# KiCad board jetson-agx-thor-baseboard.kicad_pcb (continued)
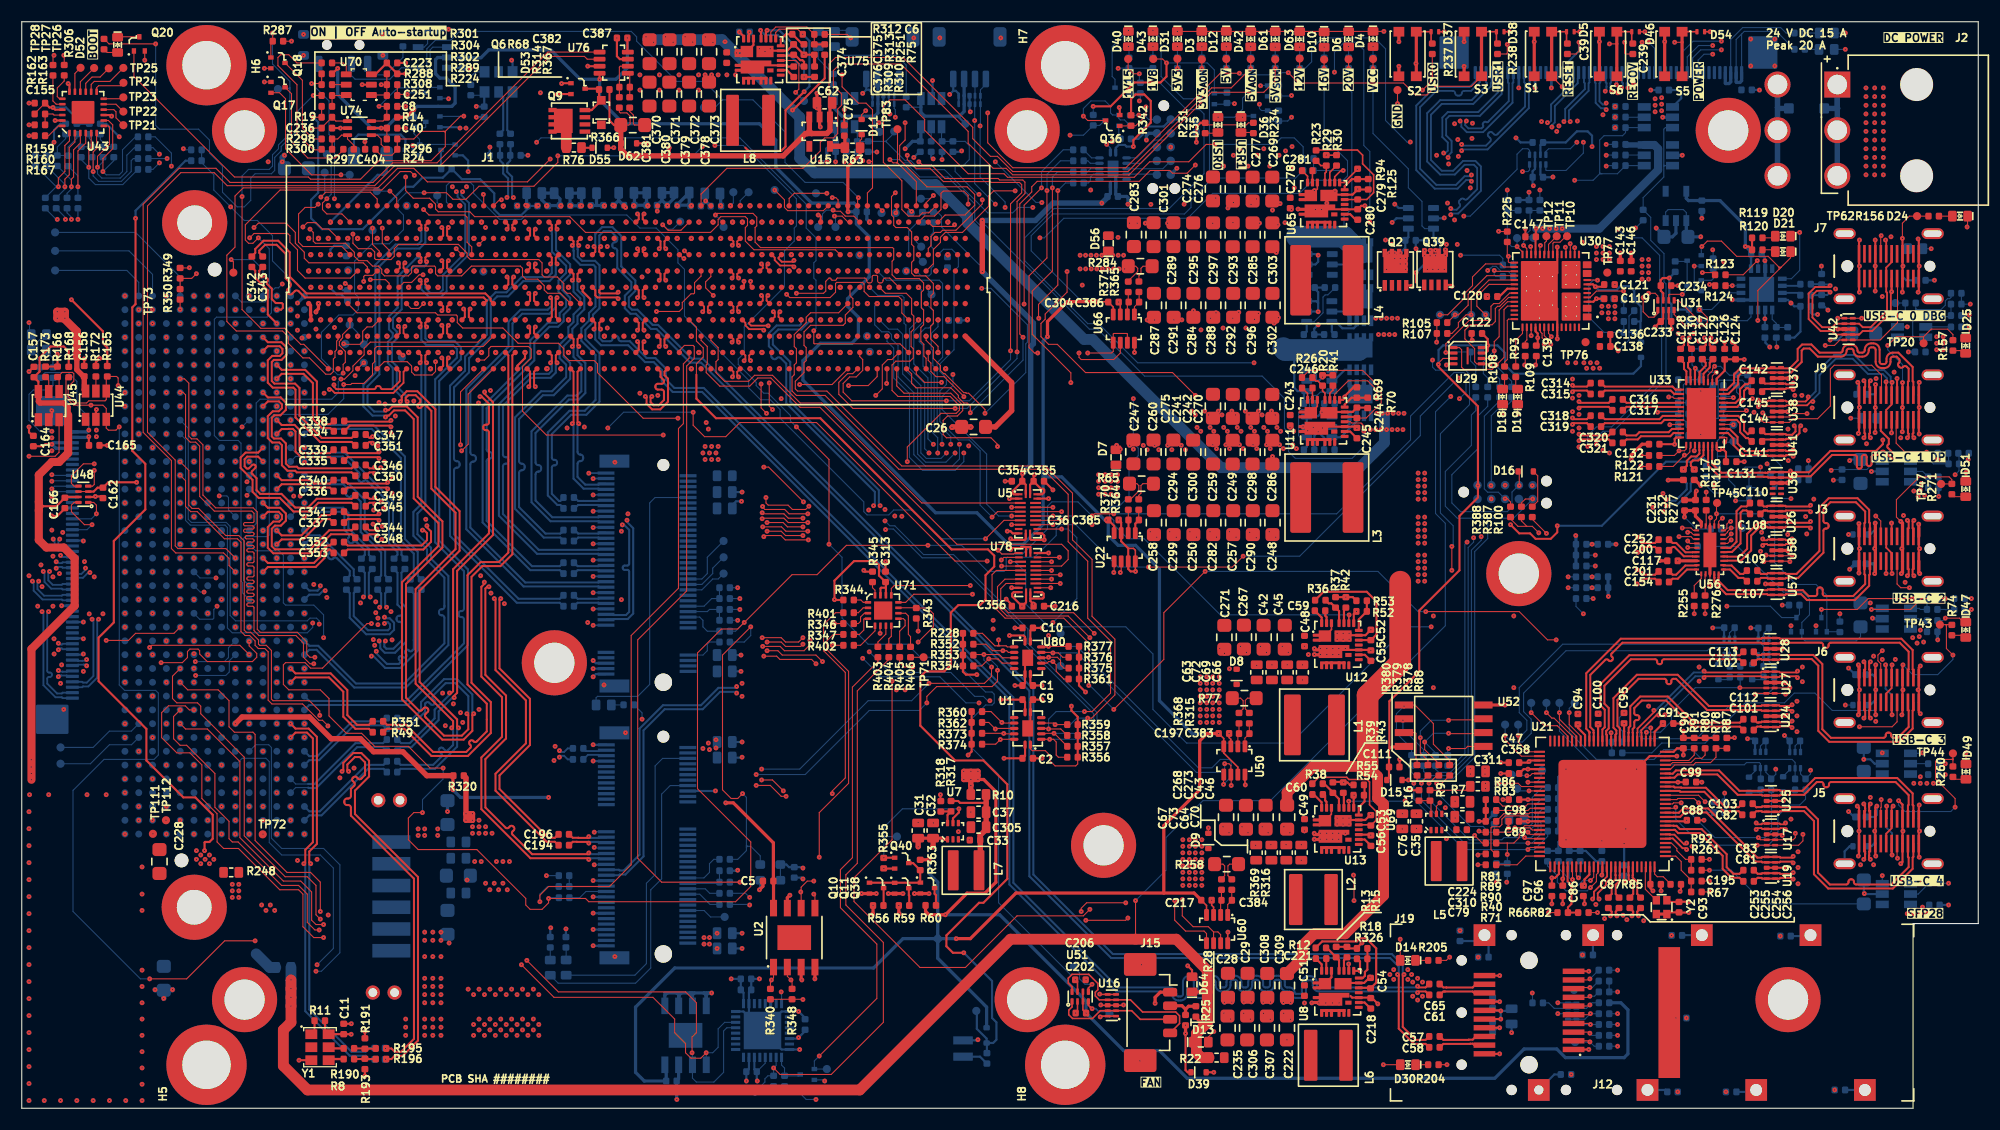
[diagram p0: board, top side]
## Placement (name value [footprint] x y rotation side) (continued)
R270  R_2k2_0402  [R_0402_1005Metric]  175.76 44.89 180 bottom
R271  R_470R_0402  [R_0402_1005Metric]  177.57 56.99 90 top
R272  R_100k_0402  [R_0402_1005Metric]  161.37 58.32 180 bottom  (not fitted)
R273  R_10k_0402  [R_0402_1005Metric]  159.47 58.31 0 bottom  (not fitted)
R274  R_10k_0402  [R_0402_1005Metric]  157.52 58.32 0 bottom  (not fitted)
R275  R_10k_0402  [R_0402_1005Metric]  16.07 87.21 180 bottom  (not fitted)
R276  R_0R_0402  [R_0402_1005Metric]  154.87 46.71 90 top
R277  R_0R_0402  [R_0402_1005Metric]  154.97 55.51 270 top
R278  R_10k_0402  [R_0402_1005Metric]  143.47 49.91 180 bottom
R279  R_200k_0402  [R_0402_1005Metric]  145.47 47.91 180 bottom
R280  R_200k_0402  [R_0402_1005Metric]  145.46 48.92 180 bottom
R281  R_0R_0402  [R_0402_1005Metric]  143.47 47.91 0 bottom  (not fitted)
R282  R_0R_0402  [R_0402_1005Metric]  143.47 48.91 0 bottom  (not fitted)
R283  R_0R_0402  [R_0402_1005Metric]  143.47 46.91 0 bottom  (not fitted)
R284  R_0R001_0805  [R_0805_2012Metric]  102.9 77.5 180 top
R285  R_10k_0402  [R_0402_1005Metric]  98.58 90.94 90 bottom  (not fitted)
R286  R_10M_0402  [R_0402_1005Metric]  155.61 77.74 270 bottom  (not fitted)
R287  R_10k_0402  [R_0402_1005Metric]  23.57 98.21 0 top
R288  R_47k_0402  [R_0402_1005Metric]  34.07 95.21 0 top
R289  R_10k_0402  [R_0402_1005Metric]  28.07 93.21 180 top  (not fitted)
R290  R_0R_0402  [R_0402_1005Metric]  82.87 82.01 270 bottom  (not fitted)
R291  R_0R_0402  [R_0402_1005Metric]  83.87 82.01 270 bottom  (not fitted)
R292  R_0R_0402  [R_0402_1005Metric]  97.22 86.18 180 bottom  (not fitted)
R293  R_0R_0402  [R_0402_1005Metric]  97.22 87.2 180 bottom  (not fitted)
R294  R_0R_0402  [R_0402_1005Metric]  97.21 88.21 180 bottom  (not fitted)
R295  R_0R_0402  [R_0402_1005Metric]  97.22 85.16 180 bottom  (not fitted)
R296  R_49k9_0402  [R_0402_1005Metric]  34.07 89.21 180 top
R297  R_0R_0402  [R_0402_1005Metric]  30.07 88.26 0 top
R298  R_0R_0402  [R_0402_1005Metric]  28.07 89.21 0 top
R299  R_10k_0402  [R_0402_1005Metric]  160.25 44.2 0 bottom
R300  R_10k_0402  [R_0402_1005Metric]  28.07 88.26 180 top
R301  R_0R_0402  [R_0402_1005Metric]  28.07 96.21 180 top
R302  R_0R_0402  [R_0402_1005Metric]  28.07 94.21 180 top
R303  R_10k_0402  [R_0402_1005Metric]  157.11 44.23 0 bottom
R304  R_10k_0402  [R_0402_1005Metric]  28.07 95.21 0 top
R306  R_470R_0402  [R_0402_1005Metric]  7.57 97.94 90 top
R307  R_10k_0402  [R_0402_1005Metric]  35.07 98.21 270 bottom
R308  R_100k_0402  [R_0402_1005Metric]  34.07 94.21 180 top  (not fitted)
R309  R_499k_0402  [R_0402_1005Metric]  71.97 95.39 90 top  (not fitted)
R310  R_200k_0402  [R_0402_1005Metric]  72.94 95.4 270 top
R311  R_51k_0402  [R_0402_1005Metric]  71.49 97.89 180 bottom
R312  R_73k2_0402  [R_0402_1005Metric]  71.37 98.84 0 top
R313  R_10k_0402  [R_0402_1005Metric]  71.96 97.44 90 top
R314  R_27R_0402  [R_0402_1005Metric]  55.93 92.57 270 top
R315  R_27R_0402  [R_0402_1005Metric]  112.94 35.9 90 top
R316  R_27R_0402  [R_0402_1005Metric]  111.32 20.59 90 top
R317  R_30k_0402  [R_0402_1005Metric]  85.49 27.8 90 top
R318  R_15k_0402  [R_0402_1005Metric]  84.55 27.79 270 top
R319  R_10k_0402  [R_0402_1005Metric]  16.07 88.21 180 bottom
R320  R_0R_0402  [R_0402_1005Metric]  40.19 30.61 180 top  (not fitted)
R321  R_10k_0402  [R_0402_1005Metric]  135.67 22.06 270 bottom  (not fitted)
R322  R_200k_0402  [R_0402_1005Metric]  136.67 22.06 90 bottom
R323  R_10k_0402  [R_0402_1005Metric]  135.47 26.63 90 bottom  (not fitted)
R324  R_200k_0402  [R_0402_1005Metric]  140.87 28.51 180 bottom
R325  R_100k_0402  [R_0402_1005Metric]  140.87 29.51 180 bottom
R326  R_191k_0402  [R_0402_1005Metric]  123.32 13.76 180 top
R327  R_100k_0402  [R_0402_1005Metric]  140.87 27.51 180 bottom
R328  R_10k_0402  [R_0402_1005Metric]  160.73 40.68 0 bottom
R329  R_10k_0402  [R_0402_1005Metric]  157.62 40.68 0 bottom
R330  R_2R2_0402  [R_0402_1005Metric]  160.73 39.7 0 bottom
R331  R_2R2_0402  [R_0402_1005Metric]  157.62 39.68 0 bottom
R332  R_10k_0402  [R_0402_1005Metric]  163.13 33.81 0 bottom
R333  R_10k_0402  [R_0402_1005Metric]  159.95 33.81 0 bottom
R334  R_10k_0402  [R_0402_1005Metric]  163.63 30.31 0 bottom
R335  R_10k_0402  [R_0402_1005Metric]  160.47 30.32 0 bottom
R336  R_2R2_0402  [R_0402_1005Metric]  163.63 29.31 0 bottom
R337  R_2R2_0402  [R_0402_1005Metric]  160.47 29.31 0 bottom
R338  R_10k_0402  [R_0402_1005Metric]  163.07 46.31 0 bottom
R339  R_0R_0402  [R_0402_1005Metric]  178.27 45.89 180 bottom
R340  R_10k_0402  [R_0402_1005Metric]  68.88 10.51 270 top  (not fitted)
R341  R_0R_0402  [R_0402_1005Metric]  108.07 90.31 270 bottom  (not fitted)
R342  R_10k_0402  [R_0402_1005Metric]  102.06 90.91 90 top  (not fitted)
R343  R_10k_0402  [R_0402_1005Metric]  82.3 45.56 270 top
R344  R_0R_0402  [R_0402_1005Metric]  76.07 46.78 0 top
R345  R_0R_0402  [R_0402_1005Metric]  78.27 48.91 270 top
R346  R_0R_0402  [R_0402_1005Metric]  76.07 44.61 180 top
R347  R_0R_0402  [R_0402_1005Metric]  76.07 43.61 180 top
R348  R_10k_0402  [R_0402_1005Metric]  70.87 10.51 270 top  (not fitted)
R349  R_10k_0402  [R_0402_1005Metric]  14.57 76.86 90 top
R350  R_100R_0402  [R_0402_1005Metric]  14.57 74.91 90 top
R351  R_0R_0402  [R_0402_1005Metric]  32.77 34.61 180 top
R352  R_2k2_0402  [R_0402_1005Metric]  87.07 42.71 0 top  (not fitted)
R353  R_2k2_0402  [R_0402_1005Metric]  87.07 41.71 0 top  (not fitted)
R354  R_2k2_0402  [R_0402_1005Metric]  87.07 40.71 0 top  (not fitted)
R355  R_10k_0402  [R_0402_1005Metric]  79.3 22.56 90 top
R356  R_2k2_0402  [R_0402_1005Metric]  96.67 32.31 180 top  (not fitted)
R357  R_2k2_0402  [R_0402_1005Metric]  96.67 33.31 180 top  (not fitted)
R358  R_2k2_0402  [R_0402_1005Metric]  96.67 34.31 180 top  (not fitted)
R359  R_2k2_0402  [R_0402_1005Metric]  96.67 35.31 180 top  (not fitted)
R360  R_2k2_0402  [R_0402_1005Metric]  87.87 36.51 0 top
R361  R_2k2_0402  [R_0402_1005Metric]  96.79 39.51 180 top
R362  R_2k2_0402  [R_0402_1005Metric]  87.87 35.51 0 top
R363  R_100k_0402  [R_0402_1005Metric]  82.66 22.39 90 top
R364  R_27R_0402  [R_0402_1005Metric]  102.76 55.57 90 top
R365  R_27R_0402  [R_0402_1005Metric]  102.78 75.61 90 top
R366  R_0R001_0805  [R_0805_2012Metric]  56.21 90.49 180 top
R367  R_27R_0402  [R_0402_1005Metric]  54.98 92.57 270 top
R368  R_27R_0402  [R_0402_1005Metric]  111.99 35.9 90 top
R369  R_27R_0402  [R_0402_1005Metric]  110.37 20.59 90 top
R370  R_27R_0402  [R_0402_1005Metric]  101.8 55.57 90 top
R371  R_27R_0402  [R_0402_1005Metric]  101.8 75.6 90 top
R372  R_1k_0402  [R_0402_1005Metric]  117.57 96.21 270 bottom
R373  R_2k2_0402  [R_0402_1005Metric]  87.87 34.51 0 top
R374  R_2k2_0402  [R_0402_1005Metric]  87.87 33.51 0 top
R375  R_2k2_0402  [R_0402_1005Metric]  96.79 40.51 180 top
R376  R_2k2_0402  [R_0402_1005Metric]  96.79 41.51 180 top
R377  R_2k2_0402  [R_0402_1005Metric]  96.79 42.51 180 top
R378  R_0R_0402  [R_0402_1005Metric]  130.37 31.11 90 top  (not fitted)
R379  R_0R_0402  [R_0402_1005Metric]  129.37 31.11 90 top  (not fitted)
R380  R_0R_0402  [R_0402_1005Metric]  128.37 31.11 90 top  (not fitted)
R381  R_0R_0402  [R_0402_1005Metric]  137.07 65.91 90 bottom
R382  R_0R_0402  [R_0402_1005Metric]  135.97 65.91 90 bottom
R383  R_0R_0402  [R_0402_1005Metric]  134.87 65.91 90 bottom
R384  R_0R_0402  [R_0402_1005Metric]  133.77 65.91 90 bottom
R385  R_0R_0402  [R_0402_1005Metric]  128.97 32.01 90 bottom  (not fitted)
R386  R_0R_0402  [R_0402_1005Metric]  127.87 32.01 90 bottom  (not fitted)
R387  R_0R_0402  [R_0402_1005Metric]  137.97 54.89 270 top  (not fitted)
R388  R_0R_0402  [R_0402_1005Metric]  136.97 54.89 270 top  (not fitted)
R389  R_2k2_0402  [R_0402_1005Metric]  4.27 87.19 270 bottom
R390  R_2k2_0402  [R_0402_1005Metric]  2.27 87.21 270 bottom
R391  R_2k2_0402  [R_0402_1005Metric]  1.27 87.21 270 bottom
R392  R_2k2_0402  [R_0402_1005Metric]  6.47 88.01 270 bottom
R393  R_2k2_0402  [R_0402_1005Metric]  7.47 88.01 270 bottom
R394  R_2k2_0402  [R_0402_1005Metric]  8.47 88.01 270 bottom
R395  R_0R_0402  [R_0402_1005Metric]  11.17 86.41 0 bottom
R396  R_0R_0402  [R_0402_1005Metric]  11.17 87.41 0 bottom
R397  R_0R_0402  [R_0402_1005Metric]  11.17 88.41 0 bottom
R398  R_0R_0402  [R_0402_1005Metric]  11.17 89.41 0 bottom
R399  R_0R_0402  [R_0402_1005Metric]  4.17 83.31 90 bottom
R400  R_0R_0402  [R_0402_1005Metric]  5.17 83.31 90 bottom
R401  R_0R_0402  [R_0402_1005Metric]  76.07 45.61 180 top
R402  R_0R_0402  [R_0402_1005Metric]  76.07 42.61 180 top
R403  R_0R_0402  [R_0402_1005Metric]  78.77 41.99 270 top
R404  R_0R_0402  [R_0402_1005Metric]  79.77 41.99 270 top
R405  R_0R_0402  [R_0402_1005Metric]  80.77 41.99 270 top
R406  R_0R_0402  [R_0402_1005Metric]  81.77 41.99 270 top
REF**  antmicro-logo_scaled_20mm  [antmicro-logo_scaled_20mm_mask]  5.82 13.46 90 top
REF**#2  -  [OSHW-Logo_5.7x6mm_Mask]  133.67 42.11 90 top
S1  -  [SW_KMR211NGLFS_SMD]  139.95 97.03 90 top
S2  -  [SW_KMR211NGLFS_SMD]  127.5 97.03 270 top
S3  -  [SW_KMR211NGLFS_SMD]  133.5 97.03 270 top
S5  -  [SW_KMR211NGLFS_SMD]  151.95 97.03 90 top
S6  -  [SW_KMR211NGLFS_SMD]  145.95 97.03 270 top
SW2  SW_SPDT_PCM12SMTR  [PCM12SMTR]  29.57 97.82 0 bottom
TP1  TP_0.75mm_SMD  [TP_SMD_0.75mm]  137.57 29.41 0 bottom
TP2  TP_0.75mm_SMD  [TP_SMD_0.75mm]  139.87 31.11 180 bottom
TP3  TP_0.75mm_SMD  [TP_SMD_0.75mm]  126.57 93.71 90 top
TP4  TP_0.75mm_SMD  [TP_SMD_0.75mm]  124.32 96.57 90 top
TP5  TP_0.75mm_SMD  [TP_SMD_0.75mm]  119.82 96.52 90 top
TP6  TP_0.75mm_SMD  [TP_SMD_0.75mm]  137.07 30.71 90 bottom
TP7  TP_0.75mm_SMD  [TP_SMD_0.75mm]  110.82 96.57 90 top
TP8  TP_0.75mm_SMD  [TP_SMD_0.75mm]  81.37 77.06 90 bottom
TP9  TP_0.75mm_SMD  [TP_SMD_0.75mm]  113.07 96.56 90 top
TP10  TP_0.75mm_SMD  [TP_SMD_0.75mm]  142.17 80.26 270 top
TP11  TP_0.75mm_SMD  [TP_SMD_0.75mm]  141.22 80.26 270 top
TP12  TP_0.75mm_SMD  [TP_SMD_0.75mm]  140.27 80.26 270 top
TP13  TP_0.75mm_SMD  [TP_SMD_0.75mm]  134.67 73.03 0 bottom
TP14  TP_0.75mm_SMD  [TP_SMD_0.75mm]  131.87 73.03 0 bottom
TP15  TP_0.75mm_SMD  [TP_SMD_0.75mm]  133.35 73.03 0 bottom
TP16  TP_0.75mm_SMD  [TP_SMD_0.75mm]  130.47 73.03 0 bottom
TP17  TP_0.75mm_SMD  [TP_SMD_0.75mm]  157.47 62.9 270 bottom
TP18  TP_0.75mm_SMD  [TP_SMD_0.75mm]  157.46 61.39 270 bottom
TP19  TP_0.75mm_SMD  [TP_SMD_0.75mm]  172.37 74.11 270 bottom
TP20  TP_0.75mm_SMD  [TP_SMD_0.75mm]  174.97 70.41 180 top
TP21  TP_0.75mm_SMD  [TP_SMD_0.75mm]  9.35 90.48 90 top
TP22  TP_0.75mm_SMD  [TP_SMD_0.75mm]  9.35 91.73 90 top
TP23  TP_0.75mm_SMD  [TP_SMD_0.75mm]  9.35 93.04 90 top
TP24  TP_0.75mm_SMD  [TP_SMD_0.75mm]  9.36 94.38 90 top
TP25  TP_0.75mm_SMD  [TP_SMD_0.75mm]  9.35 95.75 90 top
TP26  TP_0.75mm_SMD  [TP_SMD_0.75mm]  8.01 95.71 90 top
TP27  TP_0.75mm_SMD  [TP_SMD_0.75mm]  6.66 95.74 90 top
TP28  TP_0.75mm_SMD  [TP_SMD_0.75mm]  5.41 95.76 90 top
TP29  TP_0.75mm_SMD  [TP_SMD_0.75mm]  142.81 10.89 270 bottom
TP30  TP_0.75mm_SMD  [TP_SMD_0.75mm]  142.91 6.09 270 bottom
TP31  TP_0.75mm_SMD  [TP_SMD_0.75mm]  66.87 84.31 90 bottom
TP32  TP_0.75mm_SMD  [TP_SMD_0.75mm]  73.07 84.21 90 bottom
TP33  TP_0.75mm_SMD  [TP_SMD_0.75mm]  77.77 71.06 90 bottom
TP34  TP_0.75mm_SMD  [TP_SMD_0.75mm]  82.9 77.9 90 bottom
TP35  TP_0.75mm_SMD  [TP_SMD_0.75mm]  34.97 69.11 90 bottom
TP36  TP_0.75mm_SMD  [TP_SMD_0.75mm]  64.57 49.21 0 bottom
TP37  TP_0.75mm_SMD  [TP_SMD_0.75mm]  64.57 50.71 0 bottom
TP38  TP_0.75mm_SMD  [TP_SMD_0.75mm]  64.57 52.21 0 bottom
TP39  TP_0.75mm_SMD  [TP_SMD_0.75mm]  64.67 17.61 180 bottom
TP40  TP_0.75mm_SMD  [TP_SMD_0.75mm]  135.87 29.91 180 bottom
TP41  TP_0.75mm_SMD  [TP_SMD_0.75mm]  106.32 96.59 0 top
TP42  TP_0.75mm_SMD  [TP_SMD_0.75mm]  104.1 96.57 180 top
TP43  TP_0.75mm_SMD  [TP_SMD_0.75mm]  176.47 44.51 90 top
TP44  TP_0.75mm_SMD  [TP_SMD_0.75mm]  177.67 32.66 180 top
TP45  TP_0.75mm_SMD  [TP_SMD_0.75mm]  155.97 55.71 90 top
TP46  TP_0.75mm_SMD  [TP_SMD_0.75mm]  158.27 53.41 270 bottom
TP47  TP_0.75mm_SMD  [TP_SMD_0.75mm]  176.58 57.46 180 top
TP48  TP_0.75mm_SMD  [TP_SMD_0.75mm]  80.4 82.4 90 bottom
TP49  TP_0.75mm_SMD  [TP_SMD_0.75mm]  83.7 74.9 90 bottom
TP50  TP_0.75mm_SMD  [TP_SMD_0.75mm]  79.1 82.4 90 bottom
TP51  TP_0.75mm_SMD  [TP_SMD_0.75mm]  64.57 81.11 90 bottom
TP52  TP_0.75mm_SMD  [TP_SMD_0.75mm]  31.47 68.61 90 bottom
TP53  TP_0.75mm_SMD  [TP_SMD_0.75mm]  30.17 72.11 90 bottom
TP54  TP_0.75mm_SMD  [TP_SMD_0.75mm]  35.42 83.06 90 bottom
TP55  TP_0.75mm_SMD  [TP_SMD_0.75mm]  82.75 79.3 90 bottom
TP56  TP_0.75mm_SMD  [TP_SMD_0.75mm]  60.58 81.6 90 bottom
TP57  TP_0.75mm_SMD  [TP_SMD_0.75mm]  65.47 84.31 90 bottom
TP58  TP_0.75mm_SMD  [TP_SMD_0.75mm]  30.03 77.12 90 bottom
TP59  TP_0.75mm_SMD  [TP_SMD_0.75mm]  78.02 69.61 90 bottom
TP60  TP_0.75mm_SMD  [TP_SMD_0.75mm]  81.8 82.4 90 bottom
TP61  TP_0.75mm_SMD  [TP_SMD_0.75mm]  122.07 96.55 90 top
TP62  TP_0.75mm_SMD  [TP_SMD_0.75mm]  174.37 82.11 0 top
TP63  TP_0.75mm_SMD  [TP_SMD_0.75mm]  108.57 96.54 90 top
TP64  TP_0.75mm_SMD  [TP_SMD_0.75mm]  101.79 96.57 0 top
TP65  TP_0.75mm_SMD  [TP_SMD_0.75mm]  140.27 37.31 90 bottom
TP66  TP_0.75mm_SMD  [TP_SMD_0.75mm]  138.87 37.31 90 bottom
TP67  TP_0.75mm_SMD  [TP_SMD_0.75mm]  142.87 37.31 180 bottom
TP68  TP_0.75mm_SMD  [TP_SMD_0.75mm]  141.47 37.31 180 bottom
TP69  TP_0.75mm_SMD  [TP_SMD_0.75mm]  137.67 35.31 90 bottom
TP70  TP_0.75mm_SMD  [TP_SMD_0.75mm]  136.47 35.31 90 bottom
TP71  TP_0.75mm_SMD  [TP_SMD_0.75mm]  82.97 41.51 0 top
TP72  TP_0.75mm_SMD  [TP_SMD_0.75mm]  22.17 25.21 180 top
TP73  TP_0.75mm_SMD  [TP_SMD_0.75mm]  19.47 76.91 180 top
TP74  TP_0.75mm_SMD  [TP_SMD_0.75mm]  42.47 77.01 180 bottom
TP75  TP_0.75mm_SMD  [TP_SMD_0.75mm]  115.32 96.54 0 top
TP76  TP_0.75mm_SMD  [TP_SMD_0.75mm]  143.87 70.51 0 top
TP77  TP_0.75mm_SMD  [TP_SMD_0.75mm]  145.87 76.91 0 top
TP78  TP_0.75mm_SMD  [TP_SMD_0.75mm]  87.82 8.96 270 bottom
TP79  TP_0.75mm_SMD  [TP_SMD_0.75mm]  62.77 92.11 270 bottom
TP80  TP_0.75mm_SMD  [TP_SMD_0.75mm]  82.72 83.71 270 bottom
TP81  TP_0.75mm_SMD  [TP_SMD_0.75mm]  32.67 84.41 270 bottom
TP82  TP_0.75mm_SMD  [TP_SMD_0.75mm]  30.17 85.91 270 bottom
TP83  TP_0.75mm_SMD  [TP_SMD_0.75mm]  80.57 90.11 90 top
TP84  TP_0.75mm_SMD  [TP_SMD_0.75mm]  23.57 93.81 270 bottom
TP85  TP_0.75mm_SMD  [TP_SMD_0.75mm]  71.97 92.71 270 bottom
TP86  TP_0.75mm_SMD  [TP_SMD_0.75mm]  80.52 25.01 0 bottom
TP87  TP_0.75mm_SMD  [TP_SMD_0.75mm]  95.57 40.71 270 bottom
TP88  TP_0.75mm_SMD  [TP_SMD_0.75mm]  95.57 43.71 270 bottom
TP89  TP_0.75mm_SMD  [TP_SMD_0.75mm]  96.77 13.01 270 bottom
TP90  TP_0.75mm_SMD  [TP_SMD_0.75mm]  100.07 8.71 270 bottom
TP91  TP_0.75mm_SMD  [TP_SMD_0.75mm]  137.57 80.09 180 bottom
TP92  TP_0.75mm_SMD  [TP_SMD_0.75mm]  139.07 80.11 180 bottom
TP93  TP_0.75mm_SMD  [TP_SMD_0.75mm]  78.92 89.86 270 bottom
TP94  TP_0.75mm_SMD  [TP_SMD_0.75mm]  86.82 90.61 270 bottom
TP95  TP_0.75mm_SMD  [TP_SMD_0.75mm]  74.07 3.61 270 bottom
TP96  TP_0.75mm_SMD  [TP_SMD_0.75mm]  67.47 1.51 270 bottom
TP97  TP_0.75mm_SMD  [TP_SMD_0.75mm]  80.27 89.91 270 bottom
TP98  TP_0.75mm_SMD  [TP_SMD_0.75mm]  117.57 96.61 90 top
TP99  TP_0.75mm_SMD  [TP_SMD_0.75mm]  38.22 84.01 270 bottom
TP100  TP_0.75mm_SMD  [TP_SMD_0.75mm]  29.77 70.36 270 bottom
TP101  TP_0.75mm_SMD  [TP_SMD_0.75mm]  31.47 70.31 270 bottom
TP102  TP_0.75mm_SMD  [TP_SMD_0.75mm]  32.27 80.81 0 bottom
TP103  TP_0.75mm_SMD  [TP_SMD_0.75mm]  28.07 87.81 0 bottom
TP104  TP_0.75mm_SMD  [TP_SMD_0.75mm]  27.87 86.11 270 bottom
TP105  TP_0.75mm_SMD  [TP_SMD_0.75mm]  69.27 84.51 315 bottom
TP106  TP_0.75mm_SMD  [TP_SMD_0.75mm]  77.07 78.51 315 bottom
TP107  TP_0.75mm_SMD  [TP_SMD_0.75mm]  74.87 81.11 270 bottom
TP108  TP_0.75mm_SMD  [TP_SMD_0.75mm]  73.27 81.11 270 bottom
TP109  TP_0.75mm_SMD  [TP_SMD_0.75mm]  3.07 80.61 270 bottom
TP110  TP_0.75mm_SMD  [TP_SMD_0.75mm]  3.07 78.91 270 bottom
TP111  TP_0.75mm_SMD  [TP_SMD_0.75mm]  12.07 25.26 0 top
TP112  TP_0.75mm_SMD  [TP_SMD_0.75mm]  13.27 26.51 0 top
TP113  TP_0.75mm_SMD  [TP_SMD_0.75mm]  3.07 77.11 270 bottom
TP114  TP_0.75mm_SMD  [TP_SMD_0.75mm]  3.57 33.21 0 bottom
TP115  TP_0.75mm_SMD  [TP_SMD_0.75mm]  3.57 31.71 0 bottom
U1  NTS0104_DHVQFN  [DHVQFN-14-1EP_2.5x3mm]  92.55 34.96 180 top
U2  AT24CS01_SOIC8  [SOIC-8-1EP_3.9x4.9x1.75mm_P1.27mm]  71.07 15.71 90 top
U5  SN74AXC8T245_UQFN  [UQFN-24_2x4mm_P0.4mm_Texas_RJW0024A]  92.57 54.71 0 top
U6  LTC4412IS6  [SOT-23-6]  128.67 81.91 90 bottom
U7  TPS564247DRLR  [SOT-563]  85.67 25.5 90 top
U8  SIC431AED-T1-GE3  [MLP44-24L_4x4x0.75mm]  121.07 10.71 0 top
U11  SIC431AED-T1-GE3  [MLP44-24L_4x4x0.75mm]  119.77 63.26 0 top
U12  SIC431AED-T1-GE3  [MLP44-24L_4x4x0.75mm]  121.07 42.71 0 top
U13  SIC431AED-T1-GE3  [MLP44-24L_4x4x0.75mm]  121.07 25.71 0 top
U14  SLB9673AU20FW2610XTMA1  [QFN-32-1EP_5x5mm]  68.1 7.14 270 bottom
U15  NCP718BSN330T1G  [SOT-23-5]  73.4 89.89 270 top
U16  TPD4E05U06QDQARQ1  [USON-10_2.5x1mm_P0.5mm]  100.29 9.48 180 top
U17  TPD4E05U06QDQARQ1  [USON-10_2.5x1mm_P0.5mm]  160.92 28.29 180 top
U18  AP22615A_TSOT26  [TSOT23-6]  172.47 31.71 0 bottom
U19  TPD4E05U06QDQARQ1  [USON-10_2.5x1mm_P0.5mm]  160.92 22.14 180 top
U20  AP22615A_TSOT26  [TSOT23-6]  172.47 19.71 0 bottom
U21  USB7252C  [VQFN-100-1EP_12x12x0.85mm_P0.4mm]  145.42 28.01 180 top
U22  INA219AIDCNR  [SOT-23-8]  101.47 51.64 270 top
U23  AP22615A_TSOT26  [TSOT23-6]  172.47 45.06 0 bottom
U24  TPD4E05U06QDQARQ1  [USON-10_2.5x1mm_P0.5mm]  160.88 36.09 180 top
U25  TPD4E05U06QDQARQ1  [USON-10_2.5x1mm_P0.5mm]  160.92 25.21 0 top
U26  TPD4E05U06QDQARQ1  [USON-10_2.5x1mm_P0.5mm]  161.44 54.45 180 top
U27  TPD4E05U06QDQARQ1  [USON-10_2.5x1mm_P0.5mm]  160.88 42.28 180 top
U28  TPD4E05U06QDQARQ1  [USON-10_2.5x1mm_P0.5mm]  160.88 39.18 0 top
U29  W25Q80DV_USON  [USON-8_2x3mm_P0.5mm]  133.02 69.26 0 top
U30  TPS65988DHRSHR  [IC_TPS65987DDHRSHR]  140.67 75.23 180 top
U31  NTS0102_XSON  [XSON-8_1x1.95mm_P0.5mm]  151.27 73.91 90 top
U32  NCP718BSN330T1G  [SOT-23-5]  152.19 83.05 90 bottom
U33  TUSB1046-DCIRNQ  [WQFN-40_1EP_6x3mm_Pitch0.4mm_EP4.7x2.7mm]  154.53 63.94 270 top
U34  FT230X_QFN  [QFN-16-1EP_4x4mm_P0.65mm]  160.07 75.37 270 bottom
U35  AP22615A_TSOT26  [TSOT23-6]  172.47 58.61 0 bottom
U36  TPD4E05U06QDQARQ1  [USON-10_2.5x1mm_P0.5mm]  161.47 57.55 0 top
U37  TPD4E05U06QDQARQ1  [USON-10_2.5x1mm_P0.5mm]  161.47 67.2 180 top
U38  TPD4E05U06QDQARQ1  [USON-10_2.5x1mm_P0.5mm]  161.47 64.12 0 top
U40  AP22615A_TSOT26  [TSOT23-6]  173.87 71.91 0 bottom
U41  TPD4E05U06QDQARQ1  [USON-10_2.5x1mm_P0.5mm]  161.47 61.05 180 top
U42  TPD4E05U06QDQARQ1  [USON-10_2.5x1mm_P0.5mm]  168.07 71.71 0 top
U43  PI4MSD5V9548AZDEX  [VQFN-24-1EP_3.8x3.8x1.0mm_P0.5mm]  5.64 91.66 90 top
U44  AP22615A_TSOT26  [TSOT23-6]  6.82 64.71 90 top
U45  AP22615A_TSOT26  [TSOT23-6]  2.48 64.67 90 top
U46  AP22615A_TSOT26  [TSOT23-6]  150.57 87.71 180 bottom
U47  AP22615A_TSOT26  [TSOT23-6]  150.57 91.21 180 bottom
U48  NTS0102_XSON  [XSON-8_1x1.95mm_P0.5mm]  5.67 56.51 180 top
U49  NTS0102_XSON  [XSON-8_1x1.95mm_P0.5mm]  139.47 87.31 90 bottom
U50  INA219AIDCNR  [SOT-23-8]  111.56 32.01 270 top
U51  NTS0102_XSON  [XSON-8_1x1.95mm_P0.5mm]  97.38 10.28 90 top
U52  SST26VF064B  [SOIJ-8_5.28x5.28x2.0mm_P1.27mm]  130.82 35.21 180 top  (not fitted)
U53  AP22615A_TSOT26  [TSOT23-6]  75.67 91.63 270 bottom
U54  AT24CS01_SOIC8  [SOIC-8-1EP_3.9x4.9x1.75mm_P1.27mm]  61.07 6.71 270 bottom
U55  AP22615A_TSOT26  [TSOT23-6]  83.67 91.63 270 bottom
U56  HD3SS3220IRNHR  [WQFN-30-1EP_4.6x2.6mm_P0.4mm]  155.32 51.38 0 top
U57  TPD4E05U06QDQARQ1  [USON-10_2.5x1mm_P0.5mm]  161.44 48.25 180 top
U58  TPD4E05U06QDQARQ1  [USON-10_2.5x1mm_P0.5mm]  161.44 51.35 0 top
U59  TXU0304BQAR  [DHVQFN-14-1EP_2.5x3mm]  100.4 86.47 180 bottom  (not fitted)
U60  INA219AIDCNR  [SOT-23-8]  109.97 16.49 270 top
U61  LTC4412IS6  [SOT-23-6]  119.32 62.71 90 bottom  (not fitted)
U62  LTC4412IS6  [SOT-23-6]  119.31 73.33 90 bottom  (not fitted)
U63  LTC4412IS6  [SOT-23-6]  119.32 66.96 90 bottom
U64  LTC4412IS6  [SOT-23-6]  119.36 77.66 90 bottom
U65  SIC431AED-T1-GE3  [MLP44-24L_4x4x0.75mm]  119.77 83.26 0 top
U66  INA219AIDCNR  [SOT-23-8]  101.39 71.76 270 top
U67  TPD4E05U06QDQARQ1  [USON-10_2.5x1mm_P0.5mm]  79.27 92.82 90 bottom
U68  TPD4E05U06QDQARQ1  [USON-10_2.5x1mm_P0.5mm]  87.2 92.8 90 bottom
U69  TPS564247DRLR  [SOT-563]  130.15 26.35 90 top
U70  MAX16150A_SOT  [SOT-23-6]  31.07 94.21 90 top
U71  PCAL6408A_VQFN  [VQFN-16-1EP_3x3mm_P0.5mm_EP1.68x1.68mm]  79.25 45.81 0 top
U72  TPS3840PL30DBVR  [SOT-23-5]  37.82 96.71 180 bottom
U73  TPD4E05U06QDQARQ1  [USON-10_2.5x1mm_P0.5mm]  142.64 8.7 0 bottom
U74  SN74LVC2G07DCKR  [SC-70-6]  31.07 90.21 0 top
U75  SIC431AED-T1-GE3  [MLP44-24L_4x4x0.75mm]  67.89 96.51 0 top
U76  INA219AIDCNR  [SOT-23-8]  54.46 96.23 180 top
U78  SN74AXC8T245_UQFN  [UQFN-24_2x4mm_P0.4mm_Texas_RJW0024A]  92.59 49.3 180 top
U80  NTS0104_DHVQFN  [DHVQFN-14-1EP_2.5x3mm]  92.55 41.46 0 top
Y1  Oscillator_100MHz_NX324  [Oscillator_SMD_Abracon_AX3_3.2x2.5x1mm]  27.44 5.62 0 top
Y2  Oscillator_25MHz_ESC_2016MV  [Oscillator_SMD_ECS_2016MV_2x1.6x0.85mm]  150.87 18.51 180 top
Y3  Oscillator_32.768kHz_ECS_2520MV  [Oscillator_SMD_ECS_2520MV_2.5x2mm]  68.87 21.71 90 bottom
Y5  Oscillator_156.25MHz_AK3LPHEF1  [Oscillator_SMD_Abracon_AK3LPHEF1_3.2x2.5x1mm]  43.82 94.46 270 bottom

## Library data of the parts
A1 = -: Description: Mechanical model for M2 2280 2.5mm module; Author: Antmicro; License: Apache-2.0
A2 = -: Description: Mechanical model for M2 2242 2.5mm module; Author: Antmicro; License: Apache-2.0
A3 = -: Datasheet: https://developer.nvidia.com/embedded/downloads#?tx=$product,jetson_thor; Description: Jetson Thor, System-on-Module, 2560-core NVIDIA Blackwell GPU with 96 fifth-gen Tensor Cores, Multi-Instance GPU with 10TPCs, 14-core Arm Neoverse-V3AE 64-bit CPU, 128 GB LPDDR5X; Manufacturer: Nvidia; MPN: 900-13834-0080-000; Author: Antmicro; License: Apache-2.0; Displayed name: Jetson Thor AGX T5000
BT1 = -: Datasheet: https://www.sii.co.jp/en/me/datasheets/ms-rechargeable/ms621fe/; Description: Rechargeable Battery, Coin Cell, Single Cell, 3 V, Lithium Manganese Dioxide, 5.5 mAh, Button Cell; Manufacturer: Seiko Instruments; MPN: MS621FE-FL11E; Author: Antmicro; License: Apache-2.0
C1 C2 C5 C9 C10 C39 C44 C48 C49 C51 C59 C60 C77 C80-C83 C101-C104 C106-C114 C116 C117 C119 C122 C125-C134 C137 C140-C142 C144 C145 C148 C154-C159 C162 C163 C166 C167 C189 C200-C202 C206 C208 C210 C216 C221 C232 C243 C246 C252-C256 C278 C281 C313-C356 C374 C377 C382-C386 = -: Datasheet: https://www.murata.com/products/productdetail?partno=GRM155R61H104KE14%23; Description: SMD Multilayer Ceramic Capacitor, 0.1 µF, 50 V, 0402 [1005 Metric], ± 10%, X5R, GRM Series; Manufacturer: Murata; MPN: GRM155R61H104KE14D; Val: 100n; License: Apache-2.0; Author: Antmicro; Voltage: 50V; Dielectric: X5R
C3 C4 C12-C16 C25 = -: Datasheet: https://www.yageo.com/en/Chart/Download/pdf/CC0402MRX5R5BB106; Description: SMD Multilayer Ceramic Capacitor, 10 µF, 6.3 V, 0402 [1005 Metric], ± 20%, X5R, CC Series; MPN: CC0402MRX5R5BB106; Manufacturer: YAGEO; License: Apache-2.0; Author: Antmicro; Val: 10u; Dielectric: template_dielectric
C6 C11 C40 C79 C169 C171-C180 C199 C209 C236 C239 C240 = -: Datasheet: https://www.murata.com/products/productdetail?partno=GRM155R61H104KE14%23; Description: SMD Multilayer Ceramic Capacitor, 0.1 µF, 50 V, 0402 [1005 Metric], ± 10%, X5R, GRM Series; MPN: GRM155R61H104KE14D; Manufacturer: Murata; License: Apache-2.0; Author: Antmicro; Val: 100n; Voltage: 50V; Dielectric: X5R
C7 C19-C24 = -: Datasheet: https://product.samsungsem.com/mlcc/CL10A226MO7JZN.do; Description: SMD Multilayer Ceramic Capacitor; MPN: CL10A226MO7JZNC; Manufacturer: Samsung Electro-Mechanics; License: Apache-2.0; Author: Antmicro; Val: 22u; Voltage: 16V; Dielectric: X7R; Public: False
C8 C33 C36 C38 C197 C217 C225 C304 C387 = -: Datasheet: https://www.murata.com/products/productdetail?partno=GRM155R61H104KE14%23; Description: SMD Multilayer Ceramic Capacitor, 0.1 µF, 50 V, 0402 [1005 Metric], ± 10%, X5R, GRM Series; MPN: GRM155R61H104KE14D; Manufacturer: Murata; License: Apache-2.0; Author: Antmicro; Val: 100n; Voltage: 50V; Dielectric: X5R; Public: False
C17 C18 C30 C47 C85-C100 C203-C205 C223 C237 C238 C263 C264 C272 C358 = -: Datasheet: https://www.murata.com/products/productdetail?partno=GRM155R61H104KE14%23; Description: SMD Multilayer Ceramic Capacitor, 0.1 µF, 50 V, 0402 [1005 Metric], ± 10%, X5R, GRM Series; MPN: GRM155R61H104KE14D; Val: 100n; Voltage: 50V; Dielectric: X5R; Manufacturer: Murata; License: Apache-2.0; Author: Antmicro
C26 C27 C42 C43 C45 C46 C241 C242 C247-C250 C257-C260 C267-C271 C273-C277 C282-C303 C370-C373 C378-C381 = -: Datasheet: https://product.samsungsem.com/mlcc/CL21A226MAYNNN.do; Description: SMT Multilayer Ceramic Capacitor, 22uF, +/-20%, 25V, X5R, 0805 [2012 Metric]; MPN: CL21A226MAYNNNE; Manufacturer: Samsung Electro-Mechanics; License: Apache-2.0; Author: Antmicro; Val: 22u; Voltage: 25V; Dielectric: X5R; Public: False
C28 C29 C68 C78 C105 C115 C123 C151 C222 C235 C306-C309 = -: Datasheet: https://product.samsungsem.com/mlcc/CL21A226MAYNNN.do; Description: SMT Multilayer Ceramic Capacitor, 22uF, +/-20%, 25V, X5R, 0805 [2012 Metric]; Manufacturer: Samsung Electro-Mechanics; MPN: CL21A226MAYNNNE; Val: 22u; License: Apache-2.0; Author: Antmicro; Voltage: 25V; Dielectric: X5R; Public: False
C31 C32 C35 C76 = -: Datasheet: https://product.samsungsem.com/mlcc/CL10A226MO7JZN.do; Description: SMD Multilayer Ceramic Capacitor; MPN: CL10A226MO7JZNC; Manufacturer: Samsung Electro-Mechanics; License: Apache-2.0; Author: Antmicro; Val: 22u; Voltage: 16V; Public: False